# Altium PCB PCB_SAMARUC.PcbDoc (part 1 of 2) (continued)
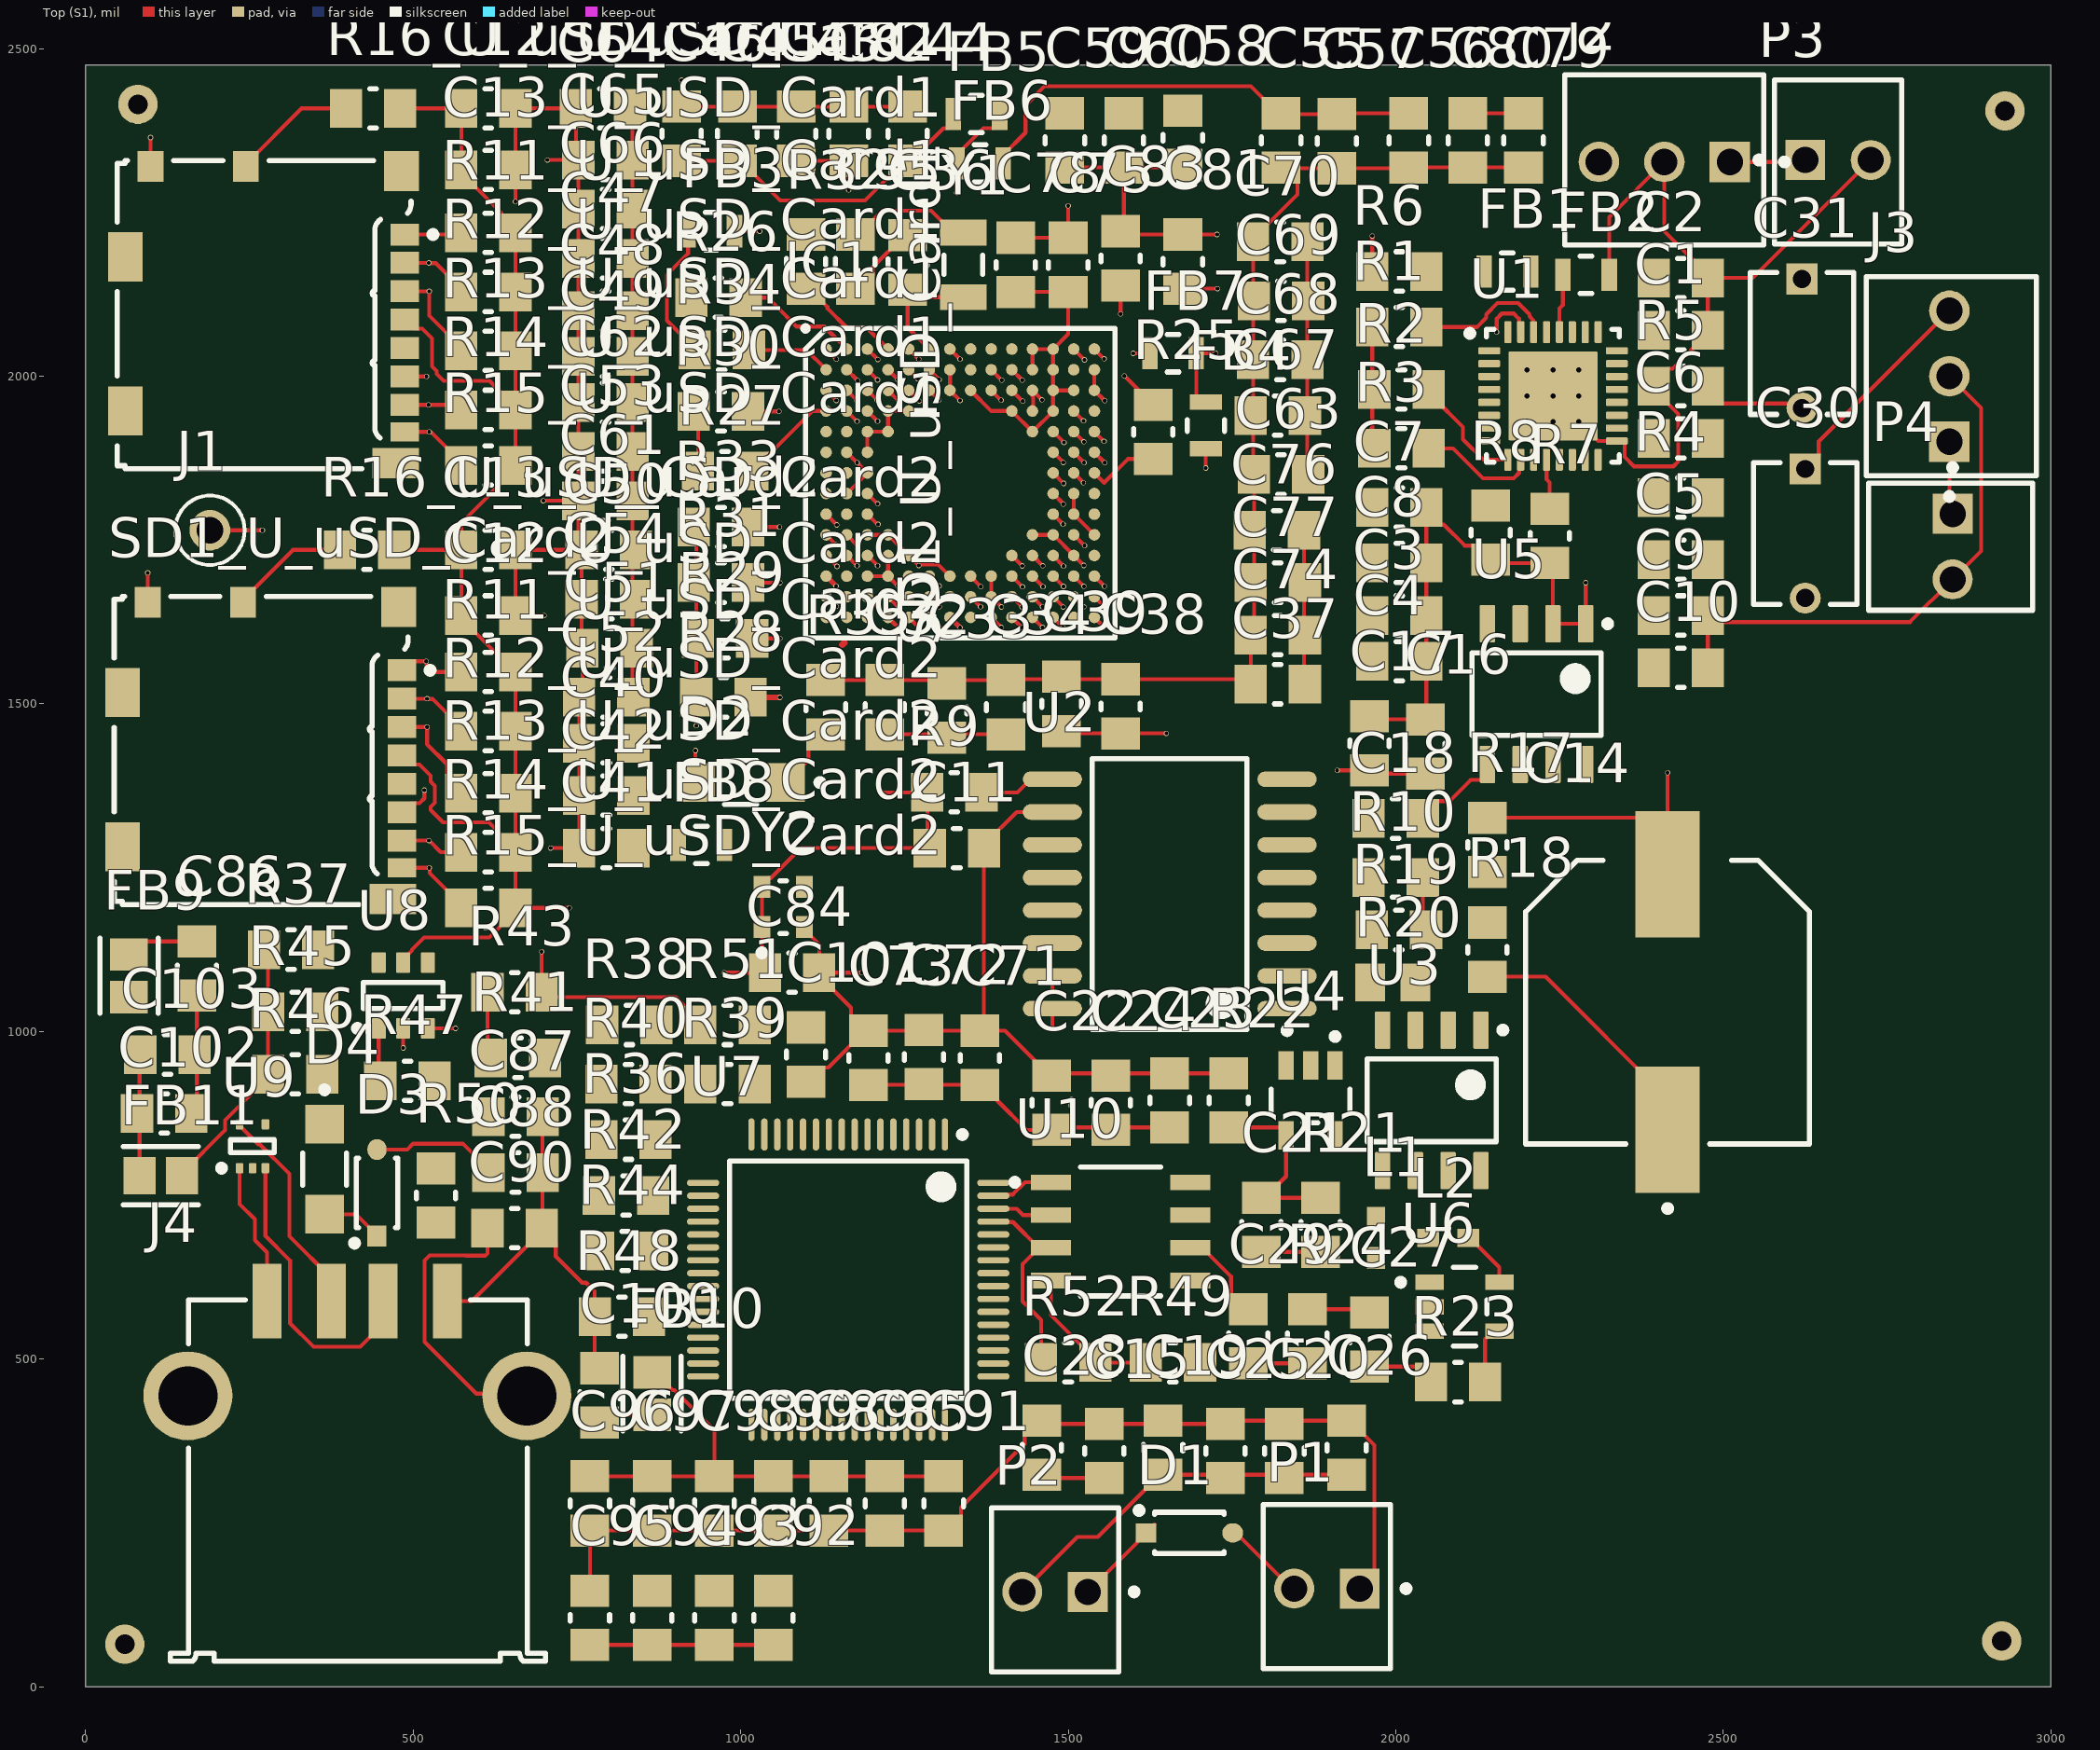
[diagram p0: Top (S1) view]
## Components (designator, comment, footprint, x,y, rotation, side; value= is the part's Value field where it differs from the comment) (continued)
J4 "62900416021" 62900416021 415,315 r0 top
L1 "742792693" SMD-0603 1970,685 r270 top
L2 "742792693" SMD-0603 2080,685 r180 top
P1 "22-23-2021" MOLX-22-23-2021_V 1895,150 r180 top
P2 "22-23-2021" MOLX-22-23-2021_V 1480,145 r180 top
P3 "22-23-2021" MOLX-22-23-2021_V 2675,2330 r0 top
P4 "22-23-2021" MOLX-22-23-2021_V 2850,1740 r270 top
R1 "4.7k" 0805_R_S 2005.43,2075 r180 top
R2 "10k" 0805_R_S 2008.66,1980 r180 top
R3 "10k" 0805_R_S 2008.66,1890 r180 top
R4 "1k" 0805_R_S 2435,1815 r0 top
R5 "1k" 0805_R_S 2435,1985 r180 top
R6 "220k" 0805_R_S 2005.43,2160 r180 top
R7 "4.7k" 0805_R_S 2235,1756.34 r90 top
R8 "10k" 0805_R_S 2145,1761.34 r90 top
R9 "10k" 0805_R_S 1326.34,1365 r0 top
R10 "10k" 0805_R_S 2000,1235 r180 top
R11_U_uSD_Card1 "10k" 0805_R_S 615,2218.72 r180 top (schematic designator R11)
R11_U_uSD_Card2 "10k" 0805_R_S 615,1548.72 r180 top (schematic designator R11)
R12_U_uSD_Card1 "10k" 0805_R_S 615,2128.72 r180 top (schematic designator R12)
R12_U_uSD_Card2 "10k" 0805_R_S 615,1458.72 r180 top (schematic designator R12)
R13_U_uSD_Card1 "10k" 0805_R_S 615,2038.72 r180 top (schematic designator R13)
R13_U_uSD_Card2 "10k" 0805_R_S 615,1363.72 r180 top (schematic designator R13)
R14_U_uSD_Card1 "10k" 0805_R_S 615,1948.72 r180 top (schematic designator R14)
R14_U_uSD_Card2 "10k" 0805_R_S 615,1273.72 r180 top (schematic designator R14)
R15_U_uSD_Card1 "10k" 0805_R_S 615,1863.72 r180 top (schematic designator R15)
R15_U_uSD_Card2 "10k" 0805_R_S 615,1188.72 r180 top (schematic designator R15)
R16_U_uSD_Card1 "10k" 0805_R_S 439.04,2408.72 r180 top (schematic designator R16)
R16_U_uSD_Card2 "10k" 0805_R_S 430,1735 r180 top (schematic designator R16)
R17 "10.7k" 0805_R_S 2140,1285 r270 top
R18 "169k" 0805_R_S 2140,1125 r270 top
R19 "220k" 0805_R_S 2005,1155 r180 top
R20 "ERJ-6GEYJ1R0V" RESC2013X70X40NL20T20 1995.55,1075 r0 top
R21 "3.6k" 0805_R_S 1885,705 r90 top
R22 "1.8k" 0805_R_S 1745,895 r90 top
R23 "8.06k" 0805_R_S 2095,465 r0 top
R24 "1.8k" 0805_R_S 1865,535 r270 top
R25 "10k" 0805_R_S 1630,1915 r90 top
R26 "10k" 0805_R_S 966.34,2120 r0 top
R27 "10k" 0805_R_S 976.34,1855 r0 top
R28 "10k" 0805_R_S 973.66,1510 r0 top
R29 "10k" 0805_R_S 976.34,1600 r0 top
R30 "10k" 0805_R_S 970,1946.34 r0 top
R31 "10k" 0805_R_S 970,1685 r0 top
R32 "10k" 0805_R_S 1100,2175 r270 top
R33 "100k" 0805_R_S 970,1770 r0 top
R34 "100k" 0805_R_S 971.34,2040 r0 top
R35 "220" 0805_R_S 1130,1495 r90 top
R36 "47" 0805_R_S 828.66,835 r180 top
R37 "10k" 0805_R_S 313.66,1125 r0 top
R38 "47" 0805_R_S 830,1010 r0 top
R39 "47" 0805_R_S 980,920 r0 top
R40 "47" 0805_R_S 828.66,920 r0 top
R41 "47" 0805_R_S 660,960 r180 top
R42 "47" 0805_R_S 825,750 r180 top
R43 "10k" 0805_R_S 655,1060 r0 top
R44 "47" 0805_R_S 823.66,665 r180 top
R45 "10k" 0805_R_S 320,1030 r0 top
R46 "10k" 0805_R_S 320,935 r180 top
R47 "47" 0805_R_S 491.34,925 r180 top
R48 "10k" 0805_R_S 818.66,565 r180 top
R49 "10k" 0805_R_S 1660,495 r180 top
R50 "220" 0805_R_S 535,750 r90 top
R51 "12k" 0805_R_S 980,1010 r180 top
R52 "2.2k" 0805_R_S 1500,495 r180 top
SD1_U_uSD_Card1 "104031-0811" MOLX-104031-0811_V 274.04,2093.72 r90 top (schematic designator SD1)
SD1_U_uSD_Card2 "104031-0811" MOLX-104031-0811_V 269.7,1428.72 r90 top (schematic designator SD1)
U1 "TLV320AIC3204IRHBT" RHB0032E_V 2240,1970 r0 top
U2 "M25P64-VMF6TP" MICT-MF-16_N 1655,1210 r180 top
U3 "TPS76601D" D0008A_N 2055,895 r270 top
U4 "TPS62260DDCT" FP-DDC0005A-MFG 1870,895 r270 top
U5 "INA219AID" D0008A_N 2215,1515 r270 top
U6 "TPS62260DDCT" FP-DDC0005A-MFG 2105,580 r0 top
U7 "FT2232HL" FTDI-LQFP-64_L 1164.21,621.46 r270 top
U8 "SN74LVC1G175DBVR" DBV0006A_L 485,1055 r90 top
U9 "TPD2E001DRLR" DRL0005A_L 255,825 r90 top
U10 "AT93C46DN-SH-T" FP-C04-057-SN-MFG 1580,695 r0 top
Y1 "ABS07L-32.768KHZ-T" FP-ABS07L-MFG 1340,2170 r90 top
Y2 "ASDM1-12.000MHZ-LC-T" FP-ASDM-ASDMB-MFG 1065,1190 r0 top

## Footprints (in the part's own frame and the unit in brackets; to place one, negate y for a bottom-side part, rotate by r counter-clockwise, add the part's x,y. Pads: shape width x height; smd on the part's side, far side on the other; paste and mask are expansions set on the pad)
0805_C_S [mm] "Chip Resistor, Body 2.0x1.3mm, IPC Low Density"
  rect 1.25x1.5 smd: 1(-1.05,0) 2(1.05,0)
  silkscreen extent -0.13,-0.76 0.13,0.76, body extent -1.1,-0.67 1.1,0.67, height 0.8
0805_R_S [mm] "Chip Resistor, Body 2.0x1.3mm, IPC Low Density"
  rect 1.25x1.5 smd: 1(-1.05,0) 2(1.05,0)
  silkscreen extent -0.13,-0.76 0.13,0.76, body extent -1.1,-0.67 1.1,0.67, height 0.7
62900416021 [mm] "USB 2.0 SMT Type A Horizontal"
  rect 1.12x2.88 smd: 1(-3.5,6.95) 2(-1,6.95) 3(1,6.95) 4(3.5,6.95)
  round 3.45 hole 2.3: Shell(-6.57,3.28) Shell(6.57,3.28)
  silkscreen extent -7.25,-7 7.29,7, body extent -7.81,-7 7.81,8.41, height 7.81
BGA144C80P14X14_1200X1200X140 [mm]
  round 0.45 smd: A1(-5.2,5.2) A2(-4.4,5.2) A3(-3.6,5.2) A4(-2.8,5.2) A5(-2,5.2) A6(-1.2,5.2) A7(-0.4,5.2) A8(0.4,5.2) A9(1.2,5.2) A10(2,5.2) A11(2.8,5.2) A12(3.6,5.2) A13(4.4,5.2) A14(5.2,5.2) B1(-5.2,4.4) B2(-4.4,4.4) B3(-3.6,4.4) B4(-2.8,4.4) B5(-2,4.4) B6(-1.2,4.4) B7(-0.4,4.4) B8(0.4,4.4) B9(1.2,4.4) B10(2,4.4) B11(2.8,4.4) B12(3.6,4.4) B13(4.4,4.4) B14(5.2,4.4) C1(-5.2,3.6) C2(-4.4,3.6) C3(-3.6,3.6) C4(-2.8,3.6) C5(-2,3.6) C6(-1.2,3.6) C7(-0.4,3.6) C8(0.4,3.6) C9(1.2,3.6) C10(2,3.6) C11(2.8,3.6) C12(3.6,3.6) C13(4.4,3.6) C14(5.2,3.6) D1(-5.2,2.8) D2(-4.4,2.8) D3(-3.6,2.8) D4(-2.8,2.8) D5(-2,2.8) D10(2,2.8) D11(2.8,2.8) D12(3.6,2.8) D13(4.4,2.8) D14(5.2,2.8) E1(-5.2,2) E2(-4.4,2) E3(-3.6,2) E4(-2.8,2) E11(2.8,2) E12(3.6,2) E13(4.4,2) E14(5.2,2) F1(-5.2,1.2) F2(-4.4,1.2) F3(-3.6,1.2) F12(3.6,1.2) F13(4.4,1.2) F14(5.2,1.2) G1(-5.2,0.4) G2(-4.4,0.4) G3(-3.6,0.4) G12(3.6,0.4) G13(4.4,0.4) G14(5.2,0.4) H1(-5.2,-0.4) H2(-4.4,-0.4) H3(-3.6,-0.4) H12(3.6,-0.4) H13(4.4,-0.4) H14(5.2,-0.4) J1(-5.2,-1.2) J2(-4.4,-1.2) J3(-3.6,-1.2) J12(3.6,-1.2) J13(4.4,-1.2) J14(5.2,-1.2) K1(-5.2,-2) K2(-4.4,-2) K3(-3.6,-2) K4(-2.8,-2) K11(2.8,-2) K12(3.6,-2) K13(4.4,-2) K14(5.2,-2) L1(-5.2,-2.8) L2(-4.4,-2.8) L3(-3.6,-2.8) L4(-2.8,-2.8) L5(-2,-2.8) L10(2,-2.8) L11(2.8,-2.8) L12(3.6,-2.8) L13(4.4,-2.8) L14(5.2,-2.8) M1(-5.2,-3.6) M2(-4.4,-3.6) M3(-3.6,-3.6) M4(-2.8,-3.6) M5(-2,-3.6) M6(-1.2,-3.6) M7(-0.4,-3.6) M8(0.4,-3.6) M9(1.2,-3.6) M10(2,-3.6) M11(2.8,-3.6) M12(3.6,-3.6) M13(4.4,-3.6) M14(5.2,-3.6) N1(-5.2,-4.4) N2(-4.4,-4.4) N3(-3.6,-4.4) N4(-2.8,-4.4) N5(-2,-4.4) N6(-1.2,-4.4) N7(-0.4,-4.4) N8(0.4,-4.4) N9(1.2,-4.4) N10(2,-4.4) N11(2.8,-4.4) N12(3.6,-4.4) N13(4.4,-4.4) N14(5.2,-4.4) P1(-5.2,-5.2) P2(-4.4,-5.2) P3(-3.6,-5.2) P4(-2.8,-5.2) P5(-2,-5.2) P6(-1.2,-5.2) P7(-0.4,-5.2) P8(0.4,-5.2) P9(1.2,-5.2) P10(2,-5.2) P11(2.8,-5.2) P12(3.6,-5.2) P13(4.4,-5.2) P14(5.2,-5.2)
  silkscreen extent -6.1,-6 6,6.1, body extent -6,-6 6,6, height 1.4
D0008A_N [mm] "SOIC, 8-Leads, Body 5x4mm, Pitch 1.27mm, IPC Medium Density"
  rrect17% 1.45x0.6 smd: 1(-2.725,1.905) 2(-2.725,0.635) 3(-2.725,-0.635) 4(-2.725,-1.905) 5(2.725,-1.905) 6(2.725,-0.635) 7(2.725,0.635) 8(2.725,1.905)
  silkscreen extent -2.85,-2.5 1.6,2.88, body extent -3,-2.45 3,2.45, height 1.63
DBV0006A_L [mm] "SOT23, 6-Leads, Body 3.05x1.75mm, Pitch 0.95mm, IPC High Density"
  rrect18% 0.8x0.55 smd: 1(-1.275,0.95) 2(-1.275,0) 3(-1.275,-0.95) 4(1.275,-0.95) 5(1.275,0) 6(1.275,0.95)
  silkscreen extent -1.4,-1.55 0.5,1.9, body extent -1.42,-1.46 1.42,1.46, height 1.11
DRL0005A_L [mm] "SOT23, 5-Leads, Body 1.7x1.3mm, Pitch 0.5mm, IPC High Density"
  rrect33% 0.4x0.3 smd: 1(-0.85,0.5) 2(-0.85,0) 3(-0.85,-0.5) 4(0.85,-0.5) 5(0.85,0.5)
  silkscreen extent -0.97,-0.85 0.25,1.32, body extent -0.65,-0.85 0.65,0.85, height 0.6
FP-22-11-2032-MFG [mm]
  rect 1.57x1.57 hole 1.02 paste-1000 mask+0: 1(-2.54,0.075)
  round 1.57 hole 1.02 paste-1000 mask+0: 2(0,0.075) 3(2.54,0.075)
  silkscreen extent -4.79,-3.3 3.86,3.3, body extent -3.96,-3.4 3.96,3.4, height 0.25
FP-425-04-IPC_C [mm]
  rect 0.808x0.742 smd paste+0 mask+0: 1(-1.68,0)
  rrect100% 0.808x0.742 smd paste+0 mask+0: 2(1.68,0)
  silkscreen extent -2.07,-0.8 1.35,1, body extent -2.18,-0.9 2.18,0.9, height 0.25
FP-5004-MFG [mm]
  round 1.57 hole 1.02 paste-1000 mask+0: 1(0,0)
  silkscreen extent -1.34,-1.35 1.34,1.35, body extent -1.45,-1.45 1.45,1.45, height 0.25
FP-ABS07L-MFG [mm]
  rect 1x1.8 smd paste+0 mask+0: 1(-1.25,0) 2(1.25,0)
  silkscreen extent -0.38,-0.75 0.38,0.75, body extent -1.85,-1 1.85,1, height 0.25
FP-ASDM-ASDMB-MFG [mm]
  rect 0.65x0.85 smd paste+0 mask+0: 1(-0.825,-0.775) 2(0.825,-0.775) 3(0.825,0.775) 4(-0.825,0.775)
  silkscreen extent -0.95,-1.9 0.13,1.02, body extent -1.38,-1.3 1.38,1.3, height 0.25
FP-BLM21-0_2-t0_85-e0_5-IPC_B [mil]
  rect 49.41x57.33 smd paste+0 mask+0: 1(-32.51,0) 2(32.51,0)
  silkscreen extent -57,-44 57,44, body extent -67,-39 67,39, height 10
FP-BLM21-0_2-t0_85-e0_5-MFG [mm]
  rect 0.6x1.25 smd paste+0 mask+0: 1(-0.9,0) 2(0.9,0)
  silkscreen extent -0.23,-0.72 0.23,0.72, body extent -1.3,-0.82 1.3,0.82, height 0.25
FP-C04-057-SN-MFG [mm]
  rect 1.55x0.6 smd paste+0 mask+0: 1(-2.7,1.905) 2(-2.7,0.635) 3(-2.7,-0.635) 4(-2.7,-1.905) 5(2.7,-1.905) 6(2.7,-0.635) 7(2.7,0.635) 8(2.7,1.905)
  silkscreen extent -4.22,-2.5 1.55,2.5, body extent -3.57,-2.75 3.57,2.75, height 0.25
FP-DDC0005A-MFG [mm]
  rect 1.1x0.6 smd paste+0 mask+0: 1(-1.35,0.95) 2(-1.35,0) 3(-1.35,-0.95) 4(1.35,-0.95) 5(1.35,0.95)
  silkscreen extent -2.6,-1.53 0.87,1.53, body extent -2,-1.63 2,1.63, height 0.25
FP-FC0V474ZFTBR24-MFG [mm]
  rect 4.9x2.5 smd paste+0 mask+0: 1(-4.95,0) 2(4.95,0)
  silkscreen extent -8.12,-5.5 5.5,5.5, body extent -7.65,-5.75 7.65,5.75, height 0.25
FP-LTST-C150AKT-MFG [mm]
  rect 1.5x1.5 smd paste+0 mask+0: 1(-1.75,0) 2(1.75,0)
  silkscreen extent -3.2,-0.85 0.63,0.85, body extent -2.6,-0.95 2.6,0.95, height 0.25
FP-RCEWM1-MFG [mm]
  rect 1.2x1.2 hole 0.7 paste-1000 mask+0: 1(-2.5,0)
  round 1.2 hole 0.7 paste-1000 mask+0: 2(2.5,0)
  silkscreen extent -2.75,-2 2.75,2, body extent -3.2,-2.1 3.2,2.1, height 0.25
FTDI-LQFP-64_L [mm] "QFP, 64-Leads, Body 10.00x10.00mm, Pitch 0.50mm, IPC High Density"
  oval 1.25x0.25 smd: 1(-5.625,3.75) 2(-5.625,3.25) 3(-5.625,2.75) 4(-5.625,2.25) 5(-5.625,1.75) 6(-5.625,1.25) 7(-5.625,0.75) 8(-5.625,0.25) 9(-5.625,-0.25) 10(-5.625,-0.75) 11(-5.625,-1.25) 12(-5.625,-1.75) 13(-5.625,-2.25) 14(-5.625,-2.75) 15(-5.625,-3.25) 16(-5.625,-3.75) 33(5.625,-3.75) 34(5.625,-3.25) 35(5.625,-2.75) 36(5.625,-2.25) 37(5.625,-1.75) 38(5.625,-1.25) 39(5.625,-0.75) 40(5.625,-0.25) 41(5.625,0.25) 42(5.625,0.75) 43(5.625,1.25) 44(5.625,1.75) 45(5.625,2.25) 46(5.625,2.75) 47(5.625,3.25) 48(5.625,3.75)
  oval 0.25x1.25 smd: 17(-3.75,-5.625) 18(-3.25,-5.625) 19(-2.75,-5.625) 20(-2.25,-5.625) 21(-1.75,-5.625) 22(-1.25,-5.625) 23(-0.75,-5.625) 24(-0.25,-5.625) 25(0.25,-5.625) 26(0.75,-5.625) 27(1.25,-5.625) 28(1.75,-5.625) 29(2.25,-5.625) 30(2.75,-5.625) 31(3.25,-5.625) 32(3.75,-5.625) 49(3.75,5.625) 50(3.25,5.625) 51(2.75,5.625) 52(2.25,5.625) 53(1.75,5.625) 54(1.25,5.625) 55(0.75,5.625) 56(0.25,5.625) 57(-0.25,5.625) 58(-0.75,5.625) 59(-1.25,5.625) 60(-1.75,5.625) 61(-2.25,5.625) 62(-2.75,5.625) 63(-3.25,5.625) 64(-3.75,5.625)
  silkscreen extent -5.75,-4.6 4.6,4.6, body extent -6,-6 6,6, height 1.6
MICT-MF-16_N [mm] "SOIC, 16-Leads, Body 10.5x7.6mm, Pitch 1.27mm, IPC Medium Density"
  oval 2.3x0.6 smd: 1(-4.55,4.445) 2(-4.55,3.175) 3(-4.55,1.905) 4(-4.55,0.635) 5(-4.55,-0.635) 6(-4.55,-1.905) 7(-4.55,-3.175) 8(-4.55,-4.445) 9(4.55,-4.445) 10(4.55,-3.175) 11(4.55,-1.905) 12(4.55,-0.635) 13(4.55,0.635) 14(4.55,1.905) 15(4.55,3.175) 16(4.55,4.445)
  silkscreen extent -4.68,-5.25 3,5.42, body extent -3.8,-5.25 3.8,5.25, height 0.1
MOLX-22-23-2021_V [mm] "THD, 2-Leads, Body 6.35x4.93mm, Pitch 2.54mm"
  rect 1.55x1.55 hole 1.02: 1(-1.27,0)
  round 1.55 hole 1.02: 2(1.27,0)
  silkscreen extent -3.19,-3.25 2.46,3.1, body extent -2.46,-3.25 2.46,3.1, height 10.66
MOLX-104031-0811_V [mm] "Micro SD, 8-Leads, Body 11.95x11.4mm, Pitch 1.1mm"
  rect 0.85x1.1 smd: 1(3.113,-5.412) 2(2.013,-5.412) 3(0.913,-5.412) 4(-0.188,-5.412) 5(-1.288,-5.412) 6(-2.387,-5.412) 7(-3.487,-5.412)
  rect 0.75x1.1 smd: 8(-4.537,-5.412)
  rect 1.2x1 smd: 9(5.748,0.738) 10(5.748,4.438)
  rect 1.55x1.35 smd: 11(5.573,-5.287)
  rect 1.17x1.8 smd: 12(-5.747,-5.062)
  rect 1.9x1.35 smd: 13(-3.722,5.413) 14(2.248,5.413)
  silkscreen extent -5.97,-6.64 5.98,5.74, body extent -5.97,-5.66 5.98,5.74, height 1.45
RESC2013X70X40NL20T20 [mm] "Chip Resistor, 2-Leads, Body 2.00x1.25mm, IPC Medium Density"
  rect 1.15x1.45 smd: 1(-0.875,0) 2(0.875,0)
  body extent -1.1,-0.72 1.1,0.72, height 0.7
RHB0032E_V [mm] "QFN, 32-Leads, Body 5x5mm, Pitch 0.5mm, Thermal Pad 3.45x3.45mm"
  rrect36% 0.85x0.28 smd: 1(-2.475,1.75) 2(-2.475,1.25) 3(-2.475,0.75) 4(-2.475,0.25) 5(-2.475,-0.25) 6(-2.475,-0.75) 7(-2.475,-1.25) 8(-2.475,-1.75) 17(2.475,-1.75) 18(2.475,-1.25) 19(2.475,-0.75) 20(2.475,-0.25) 21(2.475,0.25) 22(2.475,0.75) 23(2.475,1.25) 24(2.475,1.75)
  rrect36% 0.28x0.85 smd: 9(-1.75,-2.475) 10(-1.25,-2.475) 11(-0.75,-2.475) 12(-0.25,-2.475) 13(0.25,-2.475) 14(0.75,-2.475) 15(1.25,-2.475) 16(1.75,-2.475) 25(1.75,2.475) 26(1.25,2.475) 27(0.75,2.475) 28(0.25,2.475) 29(-0.25,2.475) 30(-0.75,2.475) 31(-1.25,2.475) 32(-1.75,2.475)
  rrect3% 3.45x3.45 smd: 33(0,0)
  silkscreen extent -3.35,-2.58 2.58,2.57, body extent -2.5,-2.5 2.5,2.5, height 1
SMD-0603 [mm] "Chip Inductor, 2-Leads, Body 1.6x0.8mm"
  rect 0.85x0.7 smd: 1(-0.775,0) 2(0.775,0)
  body extent -0.8,-0.4 0.8,0.4, height 0.79

## Part data
C1 C2 C3 C4 C5 C6 C7 C8 C9 C10 C11 C12_U_uSD_Card1 C12_U_uSD_Card2 C13_U_uSD_Card1 C13_U_uSD_Card2 C15 C16 C17 C18 C19 C20 C21 C22 C23 C24 C25 C26 C27 C28 C29 C32 C33 C34 C35 C36 C37 C38 C39 C40 C41 C42 C43 C44 C45 C46 C47 C48 C49 C50 C51 C52 C53 C54 C55 C56 C57 C58 C59 C60 C61 C62 C63 C64 C65 C66 C67 C68 C69 C70 C71 C72 C73 C74 C75 C76 C77 C78 C79 C80 C81 C82 C83 C84 C85 C86 C87 C88 C89 C90 C91 C92 C93 C94 C95 C96 C97 C98 C99 C100 C101 C102 C103: library part Cap, "Capacitor", LatestRevisionDate=17-Jul-2002, LatestRevisionNote="Re-released for DXP Platform.", Published=8-Jun-2000, Publisher="Altium Limited"
C14: library part CMP-03024-000007-1, "CAP 470MF -20% +80% 3.5V SMD", Capacitance=470mF, Case/Package=Radial, ESR (Equivalent Series Resistance)=25R, Leakage Current=420uA, Max Operating Temperature=70°C, Min Operating Temperature=-25°C, Package Quantity=500, Tolerance=80%, Voltage=3.5V, Contact Plating=Tin, Depth=8.5mm, Diameter=10.5mm, Height=8.5mm, Height - Seated (Max)=0.335inch, Lead Pitch=5mm, Length=10.8mm, Mount="Surface Mount", Packaging="Tape and Reel", Radiation Hardening=No, REACH SVHC="No SVHC", RoHS Compliant=Yes, Termination=SMD/SMT, Voltage Rating=3.5V, Voltage Rating (DC)=3.5V, Width=10.8mm
C30 C31: library part CMP-06035-035073-1, "Cap Ceramic 10uF 50V X7R ±20% Radial 5mm +125°C Automotive Ammo Pack", Capacitance=10uF, Case/Package=Radial, Dielectric=X7R, Max Operating Temperature=125°C, Min Operating Temperature=-55°C, Package Quantity=500, Ratings=AEC-Q200, Resistor Type=Ceramic, Tolerance=20%, Voltage=50V, Depth=7.5mm, Diameter=5.5mm, Height=7.5mm, Height - Seated (Max)=0.295inch, Lead Diameter=0.5mm, Lead Free="Lead Free", Lead Pitch=0.197inch, Lead/Base Style="Formed Leads", Length=5.5mm, Mount="Through Hole", Packaging=Bulk, Termination=Radial, Voltage Rating=50V, Voltage Rating (DC)=50V, Width=4mm
D1 D3: library part CMP-1055-00425-2, "DIODE SCHOTTKY 20V 500MA SOD123", Average Rectified Current=500mA, Case/Package=SOD-123-2, Forward Voltage=385mV, Max Forward Surge Current (Ifsm)=5.5A, Max Operating Temperature=125°C, Max Repetitive Reverse Voltage (Vrrm)=20V, Max Reverse Leakage Current=250uA, Min Operating Temperature=-65°C, Package Quantity=3000, Contact Plating=Tin, Current Rating=500mA, Element Configuration=Single, Forward Current=500mA, Height=1.12mm, Lead Free="Lead Free", Length=2.69mm, Max Reverse Voltage (DC)=20V, Max Surge Current=5.5A, Number of Pins=2, Output Current=500mA, Packaging="Tape and Reel", Peak Non-Repetitive Surge Current=5.5A, Peak Reverse Current=250uA, Polarity=Standard, Radiation Hardening=No, REACH SVHC="No SVHC", Termination=SMD/SMT, Voltage Rating (DC)=20V, Width=1.6mm
D2 D4: library part CMP-22017-000004-1, "LED AMBER CLEAR SMD", Colour=Amber, Forward Current=30mA, Forward Voltage=2.1V, Manufacturer=Lite-On, Package=0, Power Dissipation=100mW, Reverse Voltage=5V, Temperature="-55°C to +85°C", Temperature Range High=+85°C, Temperature Range Low=-55°C, Automotive=No, Category=Diode, ComponentLink2Description=Datasheet, ComponentLink2URL=https://media.digikey.com/pdf/Data%20Sheets/Lite-On%20PDFs/LTST-C150AKT.pdf, Device Class L1=Optoelectronics, Device Class L2=LEDs, Device Class L3=unset, Digikey Description="LED AMBER CLEAR SMD", Height=1.2mm, Lead Free=Yes, Led Orientation="Top View", Luminous Intensity=6mcd, Manufacturer Part Number=LTST-C150AKT, Mouser Description="Standard LEDs - SMD Amber Clear 602nm", Octopart=https://octopart.com/ltst-c150akt-lite-on-549804, Peak Emmision Wavelength=610nm, RoHS=TRUE, Viewing Angle=130°, Wavelength=602nm
FB1 FB2 FB3 FB4 FB5 FB6 FB7 FB8: library part CMP-0686-00717-3, "Chip Ferrite Bead, 0805, 150Ω @ 100MHz, 0.09Ω, 25%, 1A", Case Code (Imperial)=0805, Case Code (Metric)=2012, Current Rating=800mA, DC Current=200mA, DC Resistance (DCR)=100mR, Max Operating Temperature=125°C, Min Operating Temperature=-55°C, Package Quantity=4000, Test Frequency=100MHz, Tolerance=25%, Case/Package=0805, Contact Plating=Tin, Core Material=Ferrite, DC Resistance-Max=100mR, Depth=1.45mm, Height=0.85mm, Impedance=150R, Lead Free="Lead Free", Length=2mm, Material=Ferrite, Max Current Rating=800mA, Max DC Current=200mA, Number of Circuits=1, Number of Lines=1, Number of Pins=2, Packaging="Tape and Reel", Radiation Hardening=No, REACH SVHC="No SVHC", RoHS Compliant=Yes, Series="EMIFIL®, BLM21A", Shielding=Unshielded, Termination=SMD/SMT, Weight=0.000194oz, Width=1.25mm
FB9 FB10 FB11: library part CMP-0686-00610-3, "Chip Ferrite Bead, 0805, 220Ω @ 100MHz, 0.045Ω, 25%, 2A", Case Code (Imperial)=0805, Case Code (Metric)=2012, Current=2A, DC Resistance (DCR)=45mR, Frequency=100MHz, Max Operating Temperature=125°C, Min Operating Temperature=-55°C, Package Quantity=1, Tolerance=25%, Case/Package=0805, Contact Plating=Tin, Core Material=Ferrite, Current Rating=2A, DC Current=2A, DC Resistance-Max=45mR, Depth=1.25mm, Height=0.85mm, Impedance=220R, Lead Free="Lead Free", Length=2mm, Material=Ferrite, Max Current Rating=2A, Max DC Current=2A, Military Standard=Not, Number of Circuits=1, Number of Lines=1, Number of Pins=2, Packaging="Tape and Reel", Radiation Hardening=No, REACH SVHC="No SVHC", RoHS Compliant=Yes, Series=BLM21P, Shielding=Unshielded, Termination=SMD/SMT, Test Frequency=100MHz, Width=1.25mm
IC1: "Integrated Circuit", Manufacturer_Name="Texas Instruments", Mouser Part Number=595-MS320C5535AZHH10, Arrow Part Number=TMS320C5535AZHH10, Arrow Price/Stock=https://www.arrow.com/en/products/tms320c5535azhh10/texas-instruments, Datasheet Link=https://www.ti.com/lit/ds/symlink/tms320c5535.pdf?ts=1611725836718&ref_url=https%253A%252F%252Fwww.ti.com%252Fstore%252Fti%252Fen%252Fp%252Fproduct%252F%253Fp%253DTMS320C5535AZAY10, Height=1.4mm, Manufacturer_Part_Number=TMS320C5535AZHH10, Mouser Price/Stock=https://www.mouser.co.uk/ProductDetail/Texas-Instruments/TMS320C5535AZHH10/?qs=bdKHSS5iKg4ejDTN3zE2OA%3D%3D
J1: library part CMP-2000-05575-2, "PC TEST POINT MINIATURE YELLOW", Manufacturer=Keystone, Automotive=No, Category=Conn, ComponentLink2Description=Datasheet, ComponentLink2URL=https://www.keyelco.com/product-pdf.cfm?p=1313, Contact Material=Silver, Device Class L1=Connectors, Device Class L2=unset, Device Class L3=unset, Digikey Description="PC TEST POINT MINIATURE YELLOW", Height=4.72mm, Is Female=yes, Lead Free=Yes, Manufacturer Part Number=5004, Mouser Description="TEST POINT PC MINI .040\"D YELLOW", Number Of Contacts=1, Octopart=https://octopart.com/5004-keystone-28591, Package=5004, RoHS=TRUE
J2 J3: library part CMP-04776-000113-1, "CONN HEADER VERT 3POS 2.54MM", Current Rating=4A, Manufacturer=Molex, Temperature="-40°C to +80°C", Temperature Range High=+80°C, Temperature Range Low=-40°C, Voltage Rating=500V, Automotive=No, Category=Conn, ComponentLink2Description=Datasheet, ComponentLink2URL=https://www.molex.com/webdocs/datasheets/pdf/en-us/0022112032_PCB_HEADERS.pdf, Conn Gender=Male, Conn Orientation=Vertical, Contact Material=Gold,Nickel, Device Class L1=Connectors, Device Class L2="Headers and Wire Housings", Device Class L3=unset, Digikey Description="CONN HEADER VERT 3POS 2.54MM", Footprint Url=https://www.molex.com/pdm_docs/sd/022112032_sd.pdf, Height=10.91mm, Lead Free=Yes, Manufacturer Part Number=22-11-2032, Mounting Type="Through Hole", Mouser Description="KK® 254 Solid Header, Vertical, with Friction Lock, 3 Circuits, Gold (Au) Plating", Number Of Contacts=3, Number Of Rows=1, Octopart=https://octopart.com/22-11-2032-molex-10085, Package=22-11-2032, Pitch=2.54mm, RoHS=TRUE
J4: library part CMP-1502-03240-1, "USB 2.0 Type A Receptacle WR-COM, Horizontal, SMT", Contact Resistance=20mOhm, Manufacturer="Wurth Elektronik", Operating Temperature=-40to105degC, Rated Current=1.5A, Working Voltage=30VAC, Connector Type=USB2.0TypeA, Datasheet URL=https://katalog.we-online.de/em/datasheet/62900416021.pdf, Gender=Receptacle, Manufacturer URL=http://www.we-online.de, Mounting Technology=SMT, Orientation=Horizontal, Package Reference=62900416021, Packaging=Tray, Part Number=62900416021, Publisher=WurthElektronik
L1 L2: library part CMP-0220-00111-1, "SMD EMI Suppression Ferrite Bead WE-CBF, Z = 2200 Ohm", ComponentLink1Description="Manufacturer Link", ComponentLink1URL=http://www.we-online.com, ComponentLink2Description=Datasheet, ComponentLink2URL=http://www.we-online.de/katalog/media/pdf/742792693.pdf, DatasheetVersion=Dec-2005, Impedance="2200 Ohm", PackageDescription="Chip Inductor, 2-Leads, Body 1.6 x 0.8 mm", PackageReference=SMD-0603, PackageVersion=2009
P1 P2 P3 P4: library part CMP-1704-00001-3, "Male Header, Pitch 2.54 mm, 1 x 2 Position, Height 10.67 mm, Tail Length 3.56 mm, 0 to 75 degC, RoHS, Bulk", Max Operating Temperature="75 degC", Min Operating Temperature="0 degC", Package Quantity=3000, ComponentLink1Description="Manufacturer URL", ComponentLink1URL=http://www.molex.com/, ComponentLink2Description=Datasheet, ComponentLink2URL=https://datasheet.ciiva.com/19454/232266-19454304.pdf, Height="10.67 mm", Length="5.08 mm", Mount="Through Hole", Mounting Technology="Through Hole", PackageDescription="Male Header, Pitch 2.54 mm, 1 x 2 Position, Height 10.67 mm, Tail Length 3.56 mm", Packaging=Bulk, PartNumber=22-23-2021, Pins=2, Radiation Hardening=No, REACH SVHC=Unknown, RoHSCompliant=True, Width="6.35 mm"
R1 R2 R3 R4 R5 R6 R7 R8 R9 R10 R11_U_uSD_Card1 R11_U_uSD_Card2 R12_U_uSD_Card1 R12_U_uSD_Card2 R13_U_uSD_Card1 R13_U_uSD_Card2 R14_U_uSD_Card1 R14_U_uSD_Card2 R15_U_uSD_Card1 R15_U_uSD_Card2 R16_U_uSD_Card1 R16_U_uSD_Card2 R17 R18 R19 R21 R22 R23 R24 R25 R26 R27 R28 R29 R30 R31 R32 R33 R34 R35 R36 R37 R38 R39 R40 R41 R42 R43 R44 R45 R46 R47 R48 R49 R50 R51 R52: library part Res1, "Resistor", LatestRevisionDate=17-Jul-2002, LatestRevisionNote="Re-released for DXP Platform.", Published=8-Jun-2000, Publisher="Altium Limited"
R20: library part CMP-1013-00002-2, Manufacturer=Panasonic, Part Number=ERJ-6GEYJ1R0V
SD1_U_uSD_Card1 SD1_U_uSD_Card2: library part CMP-2000-05825-1, "Micro SD Card, RA, -25 to 85 degC, 8-Pin SMD, RoHS, Tape and Reel", Current Rating=500mA, Manufacturer=Molex, Package Description="8-Pin Surface Mount Device, Body 11.95 x 11.4 mm, Pitch 1.1 mm", Voltage Rating=10VAC/DC, Brand=Molex, Card Type=microSD, Contact Material=PhosphorBronze, Contact Plating=Gold, Datasheet URL=http://www.molex.com/pdm_docs/sd/1040310811_sd.pdf, Datasheet Version="Rev. E, 04/2006", Height=1.42mm, Housing Material=LiquidCrystalPolymer(LCP), Insertion - Extraction Style=Push-Pull, Length=11.4mm, Manufacturer URL=http://www.molex.com/, Mating Cycles=10000, Mounting Technology=SurfaceMount, Mounting Type=Standard, Number Of Contacts=8, Number Of Rows=1Row, Orientation=RightAngle, Package Reference=104031-0811, Packaging=Reel, Pitch=1.1mm, Product=CardConnectors, Product Category=MemoryCardConnectors, RoHS=True, Series=104031, Termination Style=SMD
U1: library part CMP-0331-00080-2, "Very Low-Power Stereo Audio CODEC with Power Tune? Technology, 2 ADCs and 2 DACs, 100 dB DAC SNR, -40 to 85 degC, 32-pin QFN (RHB), Green (RoHS & no Sb/Br)", Battery Powered=TRUE, Manufacturer="Texas Instruments", # ADCs (typ)=2, # DACs=2, Additional Features="PowerTune (tm), Processing blocks for digital audio effects, LP Bypass, PLL, Digital Mic Support, LDO", Code_JEDEC=MO-220, ComponentLink1Description=Datasheet, ComponentLink1URL=http://www.ti.com/general/docs/lit/getliterature.tsp?genericPartNumber=TLV320AIC3204&fileType=pdf, Control Interface="SPI, I2C", DAC SNR=100, DatasheetVersion=SLOS602A, Digital Audio Interfaces="L, R, I2S, TDM, DSP", Mounting Technology="Surface Mount", PackageDescription="32-Pin Plastic Quad Flat No-Lead, 5 x 5 mm Body, 0.5 mm Pitch, 3.45 x 3.45 mm Exposed Pad", PackageReference=RHB0032E, PackageVersion="revD, Jun-2011", PartNumber=TLV320AIC3204IRHBT, Sampling Rate (Max) (kHz)=192
U2: library part CMP-0357-00029-1, "64 Mb (x1) Serial NOR Flash Memory, 75 MHz, 2.7 to 3.6 V, 16-pin SO16 Wide (MF), Tape & Reel", Manufacturer=Micron, Package="SO16 WideÂ", Voltage=2.7V-3.6VÂ, Applications=EmbeddedÂ, ComponentLink1Description="Manufacturer URL", ComponentLink1URL=http://www.micron.com/, ComponentLink2Description=Datasheet, ComponentLink2URL=http://www.micron.com/~/media/Documents/Products/Data%20Sheet/NOR%20Flash/Serial%20NOR/M25P/M25P64.pdf, ComponentLink3Description="Package Specification", ComponentLink3URL=http://www.micron.com/~/media/Documents/Products/Data%20Sheet/NOR%20Flash/Serial%20NOR/M25P/M25P128.pdf, DatasheetVersion="Rev. 12", Density=64MbÂ, Mounting Technology="Surface Mount", PackageDescription="16-Pin SO Wide, 7.5 X 10.3 mm, Pitch 1.27 mm", PackageReference=MICT-MF-16, PackageVersion="Rev. A", Part Family=M25PÂ, Part Status=ProductionÂ, PartNumber=M25P64-VMF6TP, RoHS=YesÂ, Speed="75 MHzÂ", Type="Data StorageÂ", Width=x1Â
U3: library part CMP-0394-00011-2, "Single Output LDO, 250 mA, Adjustable 1.25 to 5.5 V Output, 2.7 to 10 V Input, with Low IQ, 8-pin SOIC (D), -40 to 125 degC, Green (RoHS & no Sb/Br)", Manufacturer="Texas Instruments", Power Good=TRUE, Rating=Catalog, Code_JEDEC=MS-012, ComponentLink1Description="Manufacturer URL", ComponentLink1URL=http://www.ti.com/, ComponentLink2Description=Datasheet, ComponentLink2URL=http://www.ti.com/general/docs/lit/getliterature.tsp?genericPartNumber=TPS76601&fileType=pdf, ComponentLink3Description="Package Specification", ComponentLink3URL=http://www.ti.com/litv/pdf/msoi002j, DatasheetVersion=SLVS237C, Eco-Plan="Green (RoHS & no Sb/Br)", Iout(Max)(A)=0.25, Iq(Typ)(mA)=0.03, Mounting Technology="Surface Mount", PackageDescription="8-Pin Plastic Small Outline, Body 4.9 x 3.9 mm, Pitch 1.27 mm", PackageReference=D0008A, PackageVersion=4040047-3/M, PartNumber=TPS76601D, SubFamily="Single Channel LDO", Vdo(Typ)(mV)=140, Vin(Max)(V)=10, Vin(Min)(V)=2.7, Vout Adj(Max)(V)=5.5, Vout Adj(Min)(V)=1.25
U4 U6: library part CMP-04918-000295-1, "IC REG BUCK ADJ 600MA SOT23-5", Case/Package=SOT, Max Input Voltage=6V, Max Operating Temperature=85°C, Max Output Current=600mA, Min Input Voltage=2V, Min Operating Temperature=-40°C, Min Output Voltage=600mV, Nominal Supply Current=15uA, Package Quantity=250, Switching Frequency=2.5MHz, Contact Plating=Gold, Height=1mm, Lead Free="Lead Free", Length=3.05mm, Max Output Voltage=6V, Mount="Surface Mount", Number of Outputs=1, Number of Pins=5, Operating Supply Voltage=6V, Output Configuration=Positive, Output Current=600mA, Output Type=Adjustable, Output Voltage=6V, Packaging="Tape and Reel", Quiescent Current=15uA, Radiation Hardening=No, REACH SVHC="No SVHC", RoHS Compliant=Yes, Series=TPS62260, Synchronous Rectifier=Yes, Width=3.05mm
U5: library part CMP-0704-00006-2, "Zero-Drift, Bi-Directional Current / Power Monitor, 3 to 5.5 V, -40 to 125 degC, 8-pin SOIC (D8), Green (RoHS & no Sb/Br)", Manufacturer="Texas Instruments", Quiescent Current (+/-)(Typ)(mA)=0.7, Rating=Catalog, CMRR(Min)(dB)=100, Code_JEDEC=MS-012, Common Mode Range(Max)(V)=26, Common Mode Range(Min)(V)=0, ComponentLink1Description="Manufacturer URL", ComponentLink1URL=http://www.ti.com/, ComponentLink2Description=Datasheet, ComponentLink2URL=http://www.ti.com/general/docs/lit/getliterature.tsp?genericPartNumber=INA219&fileType=pdf, ComponentLink3Description="Package Specification", ComponentLink3URL=http://www.ti.com/lit/ml/msoi002j/msoi002j.pdf, DatasheetVersion=SBOS448F, Eco-Plan="Green (RoHS & no Sb/Br)", Gain(V/V)="1, 0.5, 0.25, 0.125", Input Offset (+/-)(Max)(uV)=100, Mounting Technology="Surface Mount", PackageDescription="8-Pin Plastic Small Outline, Body 4.9 x 3.9 mm, Pitch 1.27 mm", PackageReference=D0008A, PackageVersion="4040047-3/M, 06/2011", PartNumber=INA219AID, Small-Signal Bandwidth(Typ)(MHz)=0.011, SubFamily="Current Shunt Monitor", Vs(Max)(V)=5.5, Vs(Min)(V)=3
U7: library part CMP-2000-06287-1, "Dual High Speed USB to Multipurpose UART / FIFO IC / , 3 to 3.6 V, -40 to 85 degC, 64- Pin LQFP, RoHS", Manufacturer=FTDI, Maximum Operating Temperature=+85°C, Minimum Operating Temperature=-40°C, Package Description="64-Pin Low-profile Quad Flat Package, Body 10 x 10 mm, Pitch 0.5 mm", Package Reference=LQFP-64, Package Type=LQFP, Datasheet URL=http://www.ftdichip.com/Support/Documents/DataSheets/ICs/DS_FT2232H.pdf, Datasheet Version="Rev. 2.5, 07/2016", Dimensions=10x10x1.4mm, Height=1.4mm, Length=10mm, Manufacturer URL=http://www.nxp.com/, Maximum Data Rate=480Mbit/s, Mounting Technology=SurfaceMount, Mounting Type=SurfaceMount, Number of Channels per Chip=2, Pin Count=64, Standard Supported=RS232,RS422,RS485, Width=10mm
U8: library part CMP-0859-00200-3, "Single D-Type Flip-Flop with Asynchronous Clear, DBV0006A, LARGE T&R", F @ Nom Voltage(Max)(Mhz)=150, Generic Part Number=SN74LVC1G175, ICC @ Nom Voltage(Max)(mA)=0.01, Manufacturer="Texas Instruments", Operating Temperature Range(C)="-40 to 125,-40 to 85", Rating=Catalog, tpd @ Nom Voltage(Max)(ns)=13.4,7.1,5.7,4, Voltage(Nom)(V)=1.8,2.5,3.3,5, 3-State Output=No, Bits(#)=1, DatasheetVersion=SCES560F, Input Type=CMOS/TTL, Logic=True, Output Drive (IOL/IOH)(Max)(mA)=32/-32, Output Type=CMOS, PackageReference=DBV0006A, Schmitt Trigger=No, Sub-Family="D-Type Flip-Flop", Technology Family=LVC, VCC(Max)(V)=5.5, VCC(Min)(V)=1.65
U9: library part CMP-0326-00048-3, "Low-Capacitance + / - 15 kV ESD-Protection Array for High-Speed Data Interfaces, 2 Channels, -40 to +85 degC, 5-pin SOT (DRL), Green (RoHS & no Sb/Br)", Breakdown Voltage(Min)(V)=11, IO Capacitance(Typ)(pF)=1.5, IO Leakage Current(nA)=1, Manufacturer="Texas Instruments", ComponentLink1Description="Manufacturer URL", ComponentLink1URL=http://www.ti.com/, ComponentLink2Description=Datasheet, ComponentLink2URL=http://www.ti.com/general/docs/lit/getliterature.tsp?genericPartNumber=TPD2E001&fileType=pdf, ComponentLink3Description="URL Link1", ComponentLink3URL=SamplesURL:http://www.ti.com/product/tpd2e001#samples, DatasheetVersion=SLLS684F, Eco-Plan="Green (RoHS & no Sb/Br)", IEC 61000-4-2 Air-Gap(+/- kV)=15, IEC 61000-4-2 Contact(+/- kV)=8, Mounting Technology="Surface Mount", PackageDescription="5-Pin Plastic Small Outline, Flat Lead 0.5 mm Pitch", PackageReference=DRL0005A, PackageVersion="revD, Aug-2007", PartNumber=TPD2E001DRLR, SubFamily="ESD Solution", USB High Speed=TRUE
U10: library part CMP-06313-000016-1, "IC EEPROM 1K SPI 2MHZ 8SOIC", Frequency=2MHz, Manufacturer=Microchip, Max Supply Voltage=5.5V, Min Supply Voltage=1.8V, Nominal Supply Current=0.5mA, Package=C04-057-SN, Temperature="-40°C to +85°C", Temperature Range High=+85°C, Temperature Range Low=-40°C, Access Time=1000ns, Automotive=No, Category=IC, ComponentLink2Description=Datasheet, ComponentLink2URL=http://ww1.microchip.com/downloads/en/DeviceDoc/20006224B.pdf, Device Class L1="Integrated Circuits (ICs)", Device Class L2=Memory, Device Class L3=EEPROM, Digikey Description="IC EEPROM 1K SPI 2MHZ 8SOIC", Height=1.75mm, Interface=Other, Ipc Land Pattern Name=SOIC127P600X175-8, Lead Free=Yes, Manufacturer Part Number=AT93C46DN-SH-T, Memory Size=1Kbits, Memory Type=EEPROM, Mouser Description="EEPROM Serial-3Wire 1K-Bit 128 x 8/64 x 16 2.5V/3.3V/5V 8-Pin SOIC T/R", Octopart=https://octopart.com/at93c46dn-sh-t-microchip-77759177, RoHS=TRUE, Standoff Height=0.1mm
Y1: library part CMP-27762-003010-1, "CRYSTAL 32.7680KHZ 12.5PF SMD", Case/Package=SMD/SMT, ESR (Equivalent Series Resistance)=55kR, Frequency=32.768kHz, Frequency Tolerance=20ppm, Load Capacitance=12.5pF, Max Operating Temperature=85°C, Min Operating Temperature=-40°C, Package Quantity=1, Height=0.015inch, Lead Free="Lead Free", Length=0.126inch, Mount="Surface Mount", Number of Pins=2, Packaging="Tape and Reel", Radiation Hardening=No, RoHS Compliant=Yes, Series=ABS07L, Series Resistance=55kR, Termination=SMD/SMT, Tolerance=20ppm, Width=0.059inch